# Altium PCB Pleiades_Frouf.PcbDoc (part 5 of 12) (continued)
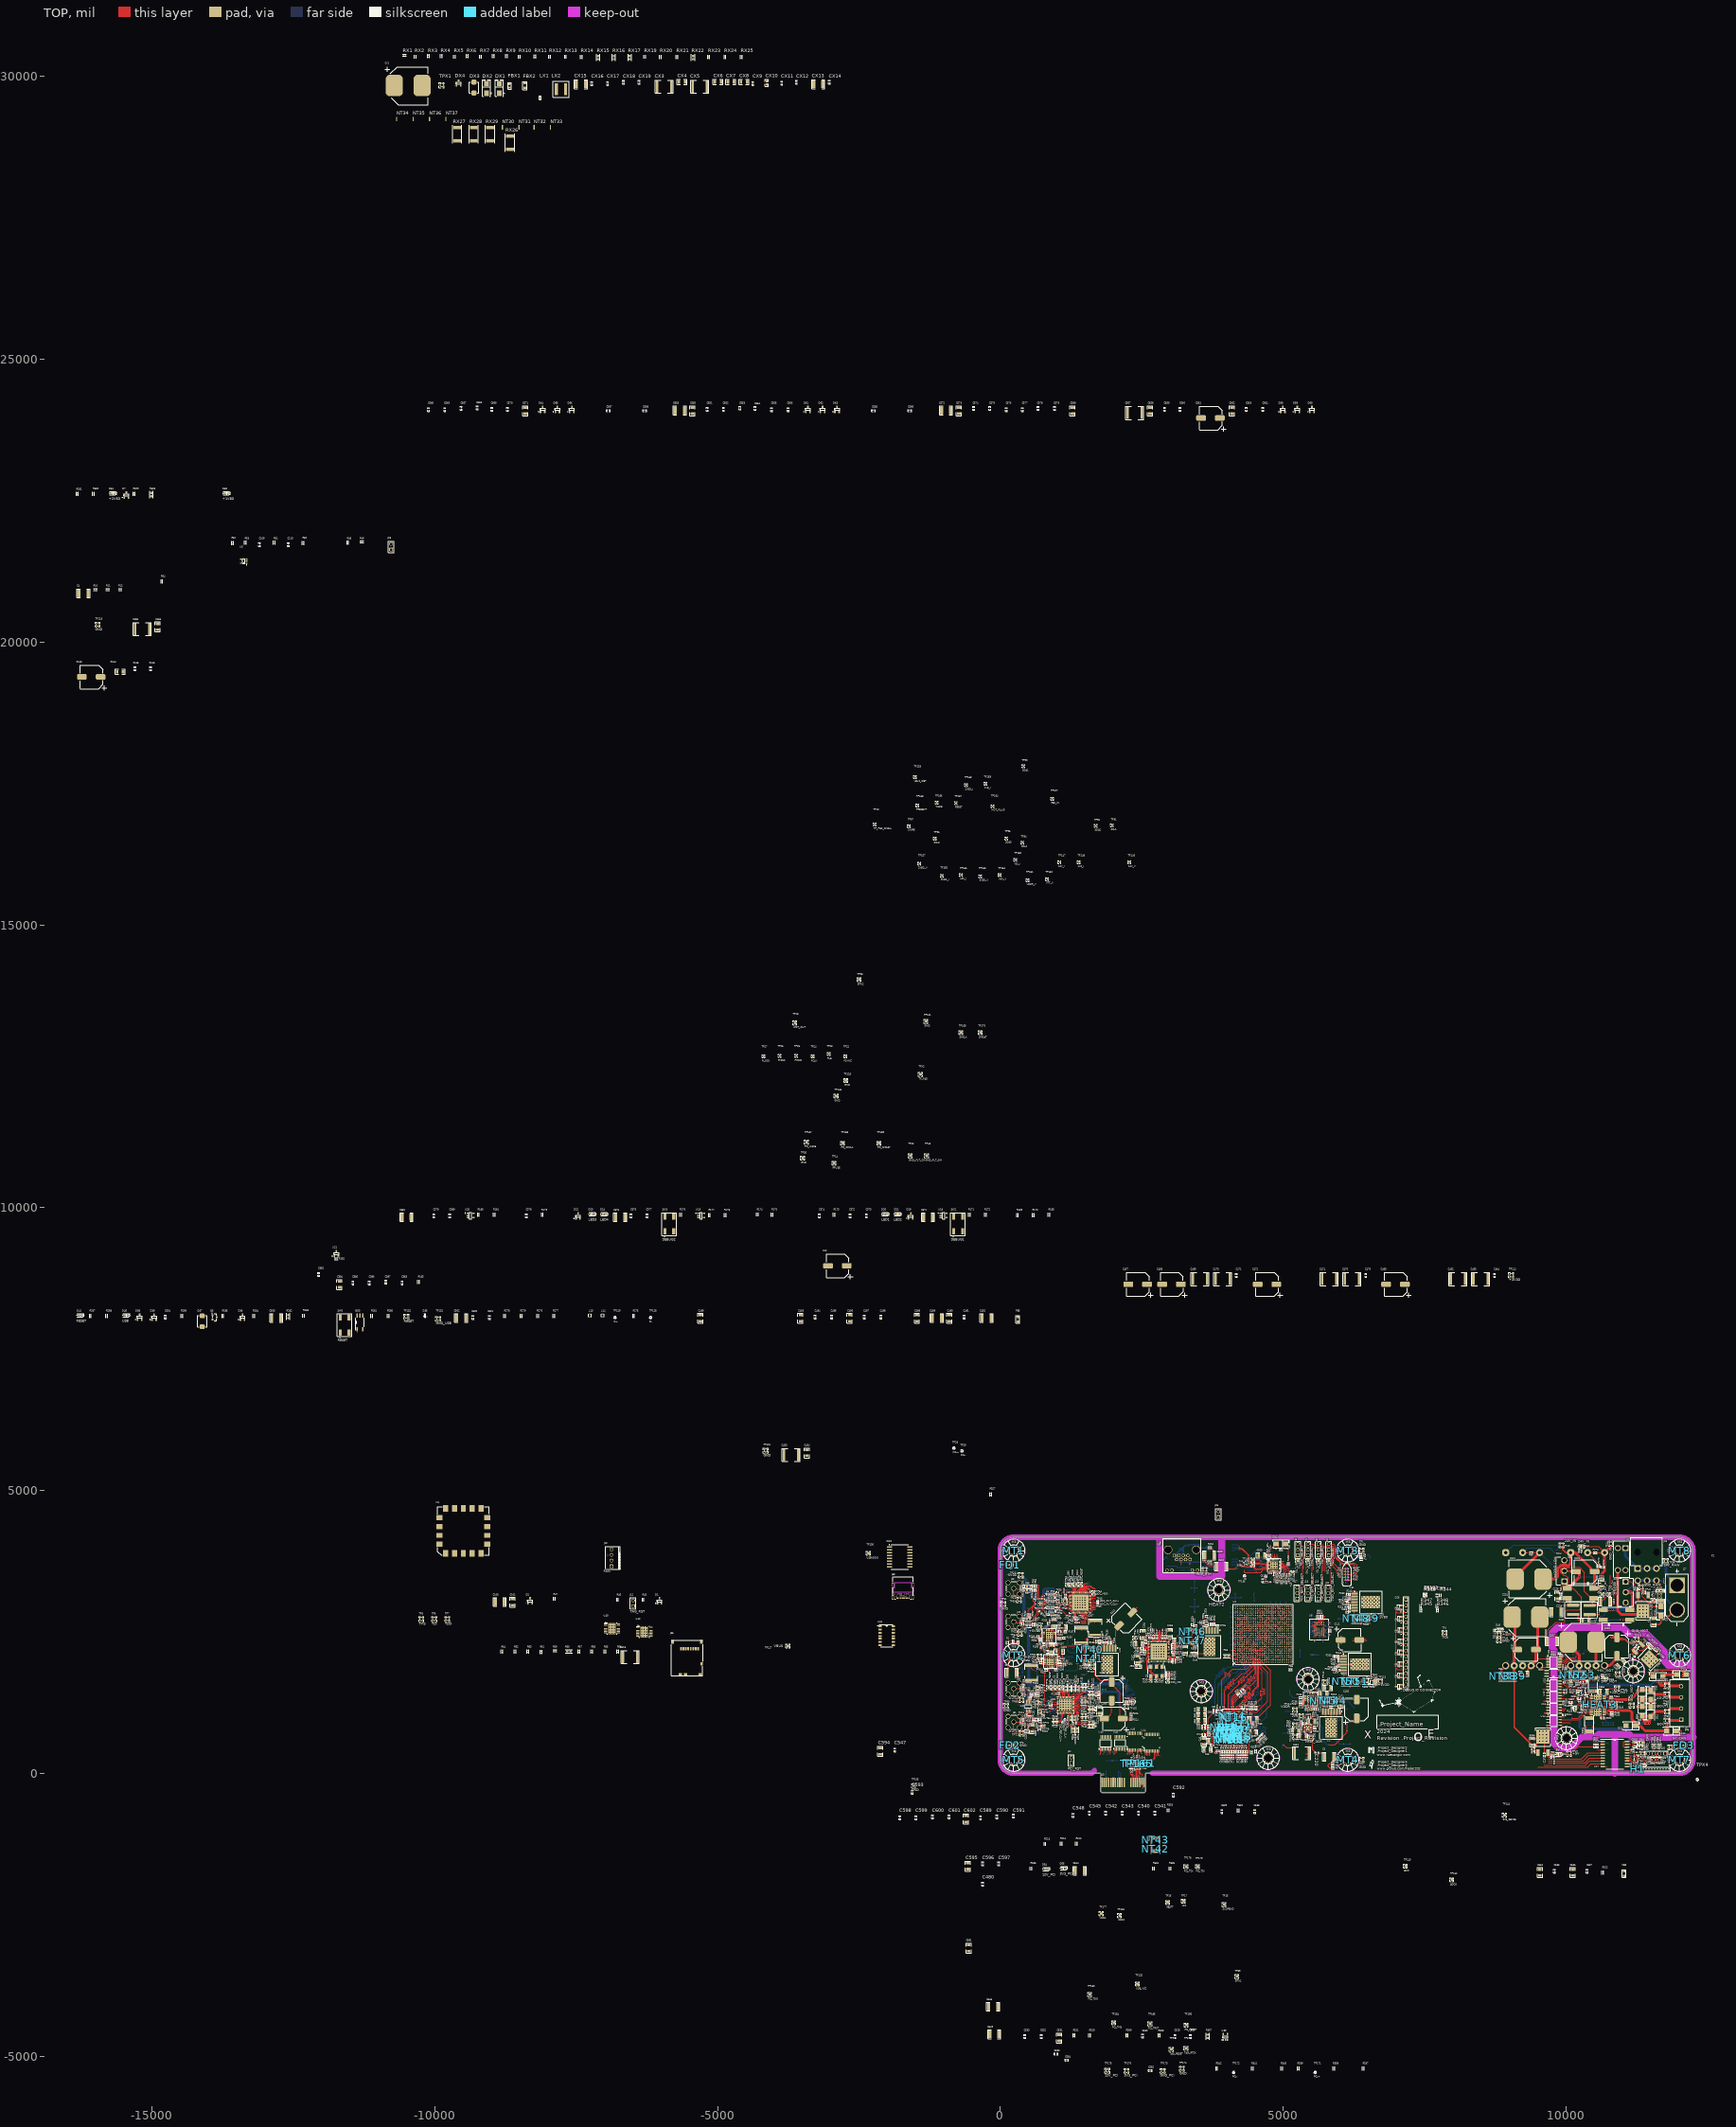
[diagram p0: TOP view]
## Nets (pads, with @x,y where several pads share a name; then routed paths per layer and width w, separated by ;. In a path a pad name is that pad's centre, name@x,y a point inside that pad or via, vN(x,y) a via of type N, cw(c..) or ccw(c..) an arc to the next point about the centre after c; other vN are vias at no path point) (continued)
  BOT w6: C310.1@570.51,1063.56 554.91,1063.56 v1(546.13,1054.78) 546.13,1073.31 564.39,1091.57 v1(564.39,1092.38) 564.39,1093.2 570.51,1099.32 C308.1@570.51,1119.58 570.51,1137.01 C309.1@544.14,1163.38 546.13,1165.37 610.01,1165.37 623.31,1178.66 621.31,1178.66 C307.1@619.11,1180.86 ; C390.1@641.73,2512 671.7,2512 679.27,2519.58 C390.1@690.57,2530.87
  BOT w20: C259.1@473.49,2783.05 473.49,2824.88 546.71,2898.1 593.44,2898.1 C244.1@595.52,2896.02 595.69,2895.85 636.85,2895.85 C262.1@637.02,2895.68 665.6,2895.68 C265.1@678.6,2908.68 696.63,2908.68 703.03,2902.28 v1(703.03,2896.19) ; C261.1@548.79,2900.18 548.79,2901.26 557.29,2909.76 C247.1@557.29,2943.68 575.79,2962.18 588.37,2962.18 C249.1@606.33,2980.13 606.33,2990.96 v1(595.52,3001.79) 606.33,3012.61 C248.1@606.33,3023.44 606.33,3023.6 564.82,3065.1 C246.1@564.82,3065.26 ; C390.1@641.73,2512 649.31,2519.58 679.27,2519.58 v1(785.45,2519.58) 785.45,2570.9 794.31,2579.76 794.31,2592.39 813.18,2611.26 C389.1@893.31,2611.26 C389.1@916.6,2611.26 ; C390.1@690.57,2530.87 TP98.1@690.57,2580.89 ; v1@704.86,2900.45 713.09,2908.68 765.44,2908.68 C263.1@770.54,2903.58 768.58,2901.61 768.58,2882.12 785.54,2865.15 808.11,2865.15 C245.1@812.24,2861.02 812.24,2825.36 823.14,2814.46 C260.1@852.5,2814.46 905.5,2761.46 905.5,2742.97 924.31,2724.17 C243.1@929,2724.17 929,2623.67 C389.1@916.6,2611.26 ; C388.1@1056.06,2284.9 1044.34,2296.63 1044.34,2396.56 1003.6,2437.29 1003.6,2504.2 976.81,2530.99 976.81,2552.03 958.36,2570.48 958.36,2598.86 945.96,2611.26 C389.1@916.6,2611.26
+5V0A_EN: R187.2 U2.AA23 | length 34
  TOP w6: U2.AA23@4944.88,2830.71 4966.22,2809.37 v1(4970,2809.37)
+5V_CAN: C361.1 C362.1 C363.1 FB3.2 J33.1 R164.1 R165.1 TP86.1 U17.16 | length 529.7
  TOP w10: U17.16@11080.92,364.52 11139,364.52 v1(11147.92,355.6) 11184,355.6 11183.59,355.18 ; R165.1@11196.24,412.76 v1(11225.39,412.76) ; v1(11220,124.62) 11220.52,124.62 11227.68,131.78 R164.1@11250.12,131.78 ; FB3.2@11346.71,469.04 FB3.2@11355.28,469.04 11399.63,469.04 v1(11411.54,457.13) ; J33.1@11754.16,347.57 11754.16,352.57 11852.72,451.12 TP86.1@11852.72,460
  BOT w3: C363.1@11069.92,351.3 C362.1@11112.92,351.31 11128.42,366.81 11136.71,366.81 v1(11147.92,355.6) 11188.46,355.6 C361.1@11183.17,350.31
+5V_MOT: C342.1 C344.1 C347.1 C349.1 C358.1 C359.1 C360.1 C478.1 C479.1 C485.1 C486.1 R149.1 R150.1 R151.1 R157.2 R158.2 R159.1 R264.1 R265.1 R273.1 TP122.1 U12.8 U13.10 U14.8 U15.8 U16.8 U33.10 U33.16 U34.6 U36.2 | length 2156
  TOP w8: U16.8@9893.31,1211.79 9891.01,1214.09 U16.8@9895.61,1214.09 9897.8,1216.29 9929.79,1216.29 v1(9937.39,1223.89) 9938.47,1223.89 9942.08,1227.5 C349.1@9966.19,1227.5 ; U33.10@9894.37,1899.64 v1(9944.79,1899.64) 9965.11,1879.32 9965.11,1837.08 9969.8,1832.4 R264.1@9996.69,1832.4 ; U33.16@9894.37,2049.64 U33.16@9895.88,2049.64 ; U12.8@9895.07,1424.41 9895.65,1424.99 9944.79,1424.99 v1(9945.37,1425.58) 9952.89,1433.1 C342.1@9980.71,1433.1 ; U15.8@9895.07,1631.99 9895.28,1632.2 9941.01,1632.2 v1(9941.22,1632.41) 9957.29,1616.34 9971.77,1616.34 C347.1@9973.55,1614.56 ; U14.8@9896.3,1000 v1(9964.03,1000) 9983.86,1019.83 9983.86,1031.22 C344.1@9987.19,1034.55 ; R265.1@9899.95,2081.59 9899.95,2053.72 U33.16@9895.88,2049.64 ; v1(9952.89,2049.64) U33.16@9895.88,2049.64 ; v1(10167.6,1443.58) 10168.36,1444.35 10175.8,1444.35 R158.2@10191.04,1459.58 ; R157.2@10190.59,1419.97 R158.2@10190.59,1459.13 ; C358.1@10279.18,1141.01 10351.84,1141.01 v1@10362.95,1152.12 ; v1(10364.03,1152.12) 10379.24,1136.91 U13.10@10456.79,1136.91 ; R159.1@10374.3,1374.11 10379.06,1378.88 10379.06,1393.99 v1(10384.08,1399) ; R151.1@10830.14,1070.87 10867.01,1070.87 v1(10877.74,1060.14) ; U36.2@11213.28,2148.67 U36.2@11217.47,2148.67
  TOP w10: v1(10111.44,1099.31) R149.1@10111.44,1134.12 ; v1(10845.92,1747.39) 10849.63,1751.1 TP122.1@10920.02,1751.1 ; v4(11177.22,2112.61) 11180.09,2109.74 11180.09,2089.62 C486.1@11209.83,2059.89 ; v1(11277.31,2175.26) 11358.27,2175.26 11428.3,2245.28 11444.73,2245.28 11509.12,2180.9 R273.1@11584.06,2180.9 11585.19,2180.9 11615.33,2150.75 C485.1@11616.46,2150.75
  TOP w25: v1(11154.51,2208.37) 11157.77,2208.37 U36.2@11217.47,2148.67 ; C479.1@11255.33,2195.99 11256.58,2195.99 v1(11277.31,2175.26) 11247.17,2145.13 11221.01,2145.13 U36.2@11217.47,2148.67 ; v1(11270.9,2093.17) 11217.47,2146.6 U36.2@11217.47,2148.67
  TOP w50: v4(11177.22,2112.61) U36.2@11213.28,2148.67
  BOT w8: U34.6@10257.95,2117.44 v1(10314.18,2117.44) 10329.25,2132.51 C478.1@10329.25,2152.86 ; v1(10364.03,1152.12) 10379.79,1167.89 10407.47,1167.89 10422.47,1152.89 10437.73,1152.89 ; C359.1@10461.78,1179.06 10456.4,1173.67 10456.4,1171.56 10437.73,1152.89 ; C360.1@10462.03,1136.91 10446.06,1152.89 10437.73,1152.89 ; R150.1@10880.92,1317.05 10880.92,1336.39 v1(10895.42,1350.89)
+5V_USB_IN: C493.1 C494.1 C495.1 C499.1 D35.1 D37.1 D38.3 D39.3 ISO2.1 J38.A4 J38.A9 J38.B4 J38.B9 R282.1 R284.1 TP127.1
+6V: C397.1 C400.1 C405.1 C406.1 C407.1 C408.1 C409.1 NT41.1 R184.1 R186.1 R322.1 R324.1 TP100.1 U23.15 U23.16 U24.15 U24.16 | length 3871.5
  TOP w12: C409.1@831.63,2125.37 835.15,2128.89 846.65,2128.89 v1(860.63,2142.87) 894.65,2142.87 C400.1@905.5,2153.72 ; C400.1@900,2163.15 927.15,2163.15 938.86,2151.44 U24.16@938.86,2073.51 961.77,2073.51 982.17,2053.11 ; U24.15@982.17,2030.2 982.17,2053.11 ; C408.1@1434.6,2312.28 1508.75,2312.28 1524.85,2328.38 1524.85,2373.56 1596.14,2444.85 C407.1@1669.65,2444.85 ; R322.1@1478.64,1996.49 1491.7,2009.56 1491.7,2011.94 ; 1511.51,1986.18 R184.1@1585,1986.18 ; 1511.51,1992.13 1491.7,2011.94 ; v1(1669.65,1986.18) R184.1@1585,1986.18 ; C407.1@1681.14,2444.85 C407.1@1669.65,2444.85 ; R186.1@1705.2,2310.41 1668.91,2310.41 ; R324.1@2320,940.65 2277.78,940.65 v1(2263.51,954.92) 2178.1,954.92 C405.1@2165.92,967.1 2161.8,967.1 2120,1008.89 2120,1426.26 1970.09,1576.16 C406.1@1970.09,1613.56 1970.09,1620.19 1949.15,1641.14 1764.07,1641.14 1676.47,1728.74 1676.47,1843.1 TP100.1@1632.55,1887.02 1585,1934.57 v1(1585,1941.03) R184.1@1585,1986.18 ; 982.17,2053.11 1044.49,2115.43 1044.49,2206.72 1086.03,2248.26 1311.68,2248.26 1491.7,2068.23 ; 1491.7,2011.94 1491.7,2068.23 ; 1491.7,2068.23 1491.7,2268.49 v1(1501.5,2278.29) 1533.62,2310.41 v1(1563.6,2310.41) 1668.91,2310.41 ; 1668.91,2310.41 1653.55,2325.77 1653.55,2428.75 C407.1@1669.65,2444.85
  TOP w18: C397.1@953,2606.85 953,2563.64 U23.16@920.02,2530.67 920.02,2527.96 923.14,2524.85 945.58,2524.85 957.51,2512.92 957.51,2490.47 960.62,2487.36 U23.15@963.33,2487.36
  other v1: 2298.89,940.65 2120,1043.66 2031.56,1514.7 1898.39,1641.14 1599.97,1919.6 971.97,2063.31 999.02,2069.96 1524.85,2350.97 1653.55,2410.59 1568.5,2417.22
+6V0_CURR_23: TP156.1 U41.16 U42.7
+6V0_VOLT_23: R324.2 R326.1 TP154.1 U41.15 | length 42.7
  TOP w6: R324.2@2320,975.65 R326.1@2320,1018.34
+6V_EN: R185.2 R195.1 U2.AC23 | length 70.6
  TOP w4.33: R195.1@1924.59,2328.28 1924.9,2328.59 1970.09,2328.59 R185.2@1970.4,2328.9
  TOP w6: U2.AC23@5023.62,2830.71 5037.91,2845 v1(5042.28,2845)
+6V_SHUNT_17_+: NT41.2 U42.5
+6V_SHUNT_17_-: NT40.2 U42.6
+12V: C101.1 C231.1 C232.1 C233.1 C234.1 C235.1 C403.1 C404.1 C412.1 C413.1 C414.1 C433.1 C434.1 C465.1 C466.1 J10.2 NT39.1 NT42.1 R85.2 R211.1 R242.1 R313.1 R314.1 R315.1 R327.1 TP45.1 U6.7 U7.1 U22.1 U27.1 U30.1 | length 4487.1
  TOP w6: C434.1@6019.27,1193.55 6019.27,1154.06 v1(6037.74,1135.59) 6002.64,1135.59 6000.46,1133.41 U27.1@6000.46,1092.08 6000.46,1087.62 6014.54,1073.54 v1(6037.74,1073.54) ; 9101.02,2455 9101.4,2454.62 ; C235.1@9440,402.5 9477,402.5 9505,374.5 U7.1@9505,364.13
  TOP w8: U30.1@3845,2524.53 3846.25,2525.78 3846.25,2613.18 R242.1@3847.5,2614.43 ; R315.1@6510.16,1559.32 R313.1@6550.16,1559.32 ; R314.1@8740,2506.22 8768.78,2506.22 TP45.1@8820,2455
  TOP w12: TP45.1@8820,2455 9101.02,2455 ; C234.1@9395,492.57 C234.1@9405,502.57
  TOP w20: U22.1@2037.83,2209.78 2037.83,2523.82 2100,2585.98 C412.1@2100,2610 ; R85.2@9087.6,1715 9087.6,1735.02 9108.58,1756 9128.6,1756 9137.6,1765 C233.1@9207,1765 ; C234.1@9395,502.57 C234.1@9405,502.57
  TOP w25: C231.1@9048.74,2760 C231.1@9101.4,2707.34 ; C232.1@9085.87,2179.21 C232.1@9115.85,2209.2 ; R85.2@9087.6,1715 9087.6,809.98 C234.1@9395,502.57 ; C232.1@9101.4,2223.65 C232.1@9115.85,2209.2 ; C232.1@9139.29,2187.86 9137.19,2187.86 C232.1@9115.85,2209.2 ; C232.1@9139.29,2215 9121.66,2215 C232.1@9115.85,2209.2 ; C234.1@9395,492.57 9395,376.44 9407.31,364.13 U7.1@9505,364.13
  TOP w50: R85.2@9085.87,1716.73 U6.7@9085.87,1901.1 C232.1@9085.87,2179.21 ; C232.1@9101.4,2223.65 9101.4,2454.62 C231.1@9101.4,2707.34
  BOT w6: v1(6037.74,1073.54) 6037.74,1027.46 6056.62,1008.59 C433.1@6093.46,1008.59 6093.46,1079.87 v1(6037.74,1135.59) 6143.4,1135.59 C414.1@6153.16,1145.35
+12V_CURR_23: TP147.1 U41.28 U42.1
+12V_PCI: C557.1 C558.1 C559.1 C560.1 D53.1 J40.A2 J40.A3 J40.B1 J40.B2 J40.B3 R334.1 TP175.1 | length 492.7
  TOP w6: J40.B1@1797.24,-161.42 1797.24,-72.7 v7(1797.24,-67.74) ; J40.B2@1836.61,-161.42 1836.61,-72.7 v7(1836.61,-67.74) ; J40.B3@1875.98,-161.42 1875.98,-72.7 v7(1875.98,-67.74)
  BOT w6: D53.1@1875.31,50 1875.31,-91.85 1875.98,-92.52 J40.A3@1875.98,-161.42
+12V_SHUNT_17_+: NT39.2 U42.3 | length 109.2
  TOP w6: 8973,1765 8973,1735 8988,1720 NT39.2@9046,1720
+12V_SHUNT_17_-: NT38.2 U42.2 | length 106.2
  TOP w6: NT38.2@8894,1720 8949,1720 8964,1735 8964,1738.73 8964,1765
+12V_VOLT_23: R315.2 R316.1 TP146.1 U41.27 | length 44.5
  TOP w6: R316.1@6433.8,1566.82 6449.8,1566.82 6457.3,1559.32 R315.2@6475.16,1559.32
+24V_FILTER_CM: C225.1 L1.1 L3.1 TP38.1 | length 948.6
  TOP w12: TP38.1@10640.38,3160.98 v1(10695.4,3160.98)
  TOP w25: C225.1@10398.25,2695.09 10398.25,2793 10413.25,2808 10562.2,2808 v1(10592.54,2777.66) 10592.54,2738.29 10619.41,2711.42 L3.1@10658.78,2711.42
  BOT w12: v1(10592.54,2777.66) 10660.74,2777.66 10695.4,2812.33 v1(10695.4,3160.98)
+24V_FILTER_DM: C219.1 C226.1 L1.2 L2.2 R80.1 TP39.1 | length 2431.4
  TOP w10: C219.1@10615.4,3040.04 10595.4,3040.04 10595.4,3040.8 C219.1@10615.4,3065.08 ; C219.1@10617.69,3068.49 C219.1@10632.61,3058.49
  TOP w12: C226.1@9850,3198 9866.42,3181.58 9945.45,3181.58 9952.48,3188.61 9952.48,3208.27 9934.13,3226.62 9934.13,3312.82 9944.96,3323.65 10026.56,3323.65 10037.39,3334.48 10037.39,3452.85 9988.05,3502.18 9955.48,3502.18 9906.14,3551.52 9906.14,3605.89 9944.58,3644.33 9998.95,3644.33 10005.33,3637.95 10238.31,3637.95 10329.94,3546.32 10329.94,3217.55 10454.94,3092.55 L2.2@10494.31,3092.55 ; C219.1@10615.4,3040.04 10630.08,3054.72 10653.88,3054.72 TP39.1@10761.14,3161.98
  TOP w25: L1.2@10419.45,2968.85 L1.2@10433.14,2982.54 ; L2.2@10495.09,3091.77 10480.93,3077.61 10480.93,3030.33 10469.8,3019.21 10469.8,2983.85 10468.49,2982.54 L1.2@10433.14,2982.54 ; C219.1@10600.4,3066.55 10615.4,3051.55 C219.1@10615.4,3040.04 10615.4,2997.54 10600.4,2982.54 L1.2@10433.14,2982.54
+24V_FUSE: C227.1 D3.1 F1.3 F1.4 Q1.3 TP37.1 | length 1854.7
  TOP w25: v5(11424.3,2949.54) 11678.15,2949.54 D3.1@11681.15,2952.54 11675,2958.69 C227.1@11675,3059 11668.75,3065.25 11584.75,3065.25 11555,3095
  TOP w50: F1.3@10919.6,3591.32 10919.6,2868.1 10982.7,2805 11304.75,2805 Q1.3@11364.3,2864.54
  BOT w25: F1.3@10919.6,3591.32 F1.4@11053.6,3591.32
  other v5: 11304.3,2769.54 11364.3,2769.54 11424.3,2769.54 11304.3,2829.54 11364.3,2829.54 11424.3,2829.54 11304.3,2889.54 11364.3,2889.54 11424.3,2889.54 11304.3,2949.54 11364.3,2949.54
+24V_IN: C221.1 C222.1 C223.1 C224.1 L2.1 R86.1 R89.1 R270.1 TP40.1 U6.1 U37.1 | length 3735.6
  TOP w12: 10164.58,3901.1 10175.98,3912.5 R89.1@10250,3912.5 ; C222.1@10508.13,3564.7 10533.54,3564.7 10575.34,3606.5 10575.34,3631.92 10584.6,3641.17 10584.6,3643.5 R270.1@10588.6,3647.5 C224.1@10632.88,3647.5
  TOP w25: TP40.1@9927.5,4034.13 9937.07,4024.56 9937.07,3961.03 9996.99,3901.1 U37.1@10084.08,3901.1
  TOP w50: C221.1@9595,3295 C221.1@9595,3407.66 ; C221.1@9595,3433.8 9812.21,3433.8 9850,3471.58 9850,3616.57 9905.37,3671.95 9924.12,3671.95 9930.5,3678.33 10013.03,3678.33 10019.41,3671.95 10050.36,3671.95 10084.08,3705.67 U37.1@10084.08,3901.1 10164.58,3901.1 10439,3626.68 10439,3606.5 10480.8,3564.7 C222.1@10508.13,3564.7 10508.13,3283.53 L2.1@10494.31,3269.72 10591.05,3269.72 10604.08,3282.75 10604.08,3287.33 10620.08,3303.33 C223.1@10630.08,3303.33
  BOT w12: U6.1@8935.87,3901.1 9068.89,4034.13 TP40.1@9927.5,4034.13 9831.98,3938.6 9826.52,3938.6 R86.1@9822.52,3934.6
+24V_MOT: C345.2 C353.1 C354.1 C355.1 C356.1 C357.1 C477.1 C481.1 C482.1 C483.1 C484.1 NT53.1 R266.1 R269.1 R272.1 TP121.1 U13.15 U13.28 U35.3 U36.1 U37.7 | length 2878.6
  TOP w8: v1(10600.81,1731.66) R272.1@10633.92,1731.66 ; U13.15@10677.26,1034.55 10670.18,1034.55 10668.42,1032.79 v1(10668.42,1011.78) C356.1@10668.42,977.55 10702.45,977.55 v1(10712.64,967.36) ; U13.28@10677.26,1367.22 v1(10730.14,1367.22) ; C483.1@11006.95,1981.42 11013.45,1981.42 v1(11049.48,2017.44) ; C484.1@11281.56,2240.89 11309.69,2240.89 U36.1@11344.75,2275.95
  TOP w10: v1(10253.84,1552.25) 10253.84,1552.79 10266.87,1565.82 C477.1@10266.87,1607.92 10303.48,1571.31 10351.66,1571.31 10370.16,1589.8 10370.16,1606.62 R266.1@10370.6,1607.06
  TOP w20: C355.1@10716.92,1445.97 10716.92,1455.97 10761.33,1500.38 TP121.1@10908.18,1500.38
  TOP w25: v4(11001.11,2369.66) 11044.13,2369.66 11111.55,2302.25 v1(11272.81,2302.25) 11278.6,2296.46 11324.24,2296.46 U36.1@11344.75,2275.95
  TOP w50: C481.1@10041.96,2320 10041.96,2284.57 10234.08,2092.44 U37.7@10234.08,1901.1 10236.4,1898.78 10236.4,1808.97 10265.69,1779.68 10315.68,1779.68 10315.68,1742.68 R269.1@10318.68,1739.68 R269.1@10321.68,1736.68 ; v4(10804.23,2405.09) C482.1@10904.08,2405.09 10904.08,2393.87 10928.29,2369.66 v4(11001.11,2369.66)
  BOT w8: v1(10651.42,853.03) 10833.97,853.03 10838.92,857.98 v1(10840,857.98) ; v1(10651.42,895) C353.1@10730,895 ; C354.1@10706.2,1445.97 10706.2,1435.97 10668.42,1398.2 C357.1@10668.42,1376.09 10720.18,1376.09 10729.06,1367.22 v1(10730.14,1367.22) ; v1(10712.64,967.36) 10712.64,912.36 C353.1@10730,895 ; C353.1@10745.71,875 10750,875 C353.1@10730,895 ; C345.2@10825,1215 10918.7,1215 10920.02,1213.68 v1(10921.1,1213.68) ; v1(10840,895) C353.1@10730,895
  BOT w10: v1(10253.84,1552.25) 10253.84,1567.54 10268.62,1582.33 U35.3@10284.37,1582.33
+24V_MOT_SHUNT_22_+: NT53.2 U35.5 | length 264.4
  TOP w6: v1(10217.5,1736.68) NT53.2@10278.29,1736.68
  BOT w6: U35.5@10208.78,1607.92 10175.26,1607.92 10170.95,1603.61 10165.98,1603.61 10160.41,1609.18 10160.41,1671.98 10206.49,1718.06 10206.49,1725.66 v1(10217.5,1736.68)
+24V_MOT_SHUNT_22_-: NT52.2 U35.4 | length 279.5
  TOP w6: NT52.2@10131.03,1736.68 v1(10194.5,1736.68)
  BOT w6: v1(10194.5,1736.68) 10194.5,1718.8 10151.41,1675.71 10151.41,1605.45 10164.74,1592.12 10168.47,1592.12 10176.28,1584.31 10206.8,1584.31 U35.4@10208.78,1582.33
+24V_PROT_18: L3.2 Q2.3 | length 1282.1
  TOP w25: L3.2@10658.78,2888.58 v4(10761.14,2888.58) v4(10790,2888.58) 10819.38,2888.58 v4(10819.81,2889.02) 10854.57,2889.02 v4(10855,2888.58)
  BOT w50: v4(10761.14,2888.58) v4(10790,2888.58) 10819.81,2888.58 v4(10855,2888.58) 11123.92,2888.58 11193.63,2958.29 11193.63,3132.07 11251.55,3190 11560,3190 Q2.3@11620,3190
  other v5: 11560,3105 11620,3105 11680,3105 11560,3165 11620,3165 11680,3165 11560,3225 11620,3225 11680,3225 11560,3285 11620,3285 11680,3285
+24V_RAW: F1.1 F1.2 J26.1 J26.2 J26.3 J27.1 TP36.1 | length 1645.7
  BOT w50: F1.2@10919.6,3981.32 F1.1@11053.6,3981.32 11053.6,3837.94 J26.1@11270,3621.54 ; J26.1@11270,3623.5 11435.35,3623.5 11590.55,3623.5 J26.3@11596.89,3623.5 ; J26.3@11600.71,3621.54 11613.74,3634.57 11651.21,3634.57 TP36.1@11768.87,3752.23 11768.87,3520.54 J27.1@11967.87,3321.54
+DDR_VREF: U1.H1 U1.M8 | length 632.9
  TOP w6: v1(3958.38,873.77) 3958.5,873.89 3984.13,873.89 U1.H1@3984.25,874.02 ; v1(4191.7,758.45) 4193,758.45 4203.42,748.03 U1.M8@4204.72,748.03
  BOT w6: v1(3958.38,873.77) 4047.35,873.77 4073.94,847.18 4073.94,834.61 4085.53,823.02 4121.79,823.02 4127.79,817.02 4127.79,778.37 4136.83,769.34 4180.81,769.34 v1(4191.7,758.45) 4199.35,766.1 4235.65,766.1 4243.3,758.45 4268.81,758.45 4289.75,779.38 4455.23,779.38
+VCC_OSC: C155.1 C156.1 C157.1 C158.1 FB1.2 R68.1 TP21.1 Y1.6 | length 523.4
  TOP w6: Y1.6@2862,1715 2879.33,1697.68 v1(2912.41,1697.68) C158.1@2945.49,1697.68 C156.1@2945.49,1780
  BOT w6: FB1.2@2767.55,1740 2813,1740 C155.1@2859,1786 ; R68.1@2859,1862.88 C155.1@2859,1796 C155.1@2859,1786 ; 2965,1697.68 v1(2912.41,1697.68) 2912.41,1732.6 C155.1@2859,1786
+VCC_PLL: C183.1 C184.1 C185.1 C186.1 C187.1 C188.1 C189.1 C190.1 C191.1 C192.1 C193.1 C194.1 C195.1 C196.1 C197.1 C198.1 C199.1 C200.1 FB2.2 R67.1 R70.1 R73.1 TP34.1 U4.1 U4.5 U4.15 U4.34 U4.35 U4.39 U4.42 U4.44 U4.47 | length 1582.1
  TOP w6: TP34.1@2375.8,2388.54 2387.71,2388.54 2404.21,2405.04 C184.1@2520.44,2405.04 2533.94,2418.54 2562.89,2418.54 2581.14,2436.78 R70.1@2628.03,2436.78 ; C189.1@2523.64,2209.17 2566.12,2209.17 v1(2590.55,2184.73) 2594.03,2181.26 U4.39@2625,2181.26 ; C187.1@2576,2312.67 2590.55,2298.11 v1(2590.55,2279.69) U4.34@2625,2279.69 ; v1(2590.33,2127.21) 2572.07,2108.95 2572.07,2079.65 2575.58,2076.13 2590.25,2076.13 v1(2590.43,2076.31) ; v1@2590.43,2076.13 2592.05,2076.13 2598.75,2082.83 U4.44@2625,2082.83 ; v1@2590.55,2126.98 2592.18,2126.98 2596.95,2122.2 U4.42@2625,2122.2 ; v1(2590.55,2260) U4.35@2625,2260 ; U4.1@2977.36,2004.09 v1(3017.72,2004.09) 3019.34,2004.09 3022.42,2007.18 C190.1@3056.1,2007.18 3055.9,2006.98 3055.9,1968.57 C186.1@3055.7,1968.37 ; U4.5@2977.36,2082.83 3003.4,2082.83 3011.2,2090.63 v1(3012.82,2090.63) 3024.71,2102.52 R73.1@3047.5,2102.52 ; U4.15@2977.36,2279.69 v1(3012.7,2279.69) C191.1@3047.5,2279.69 ; C192.1@3047.5,2240.97 C191.1@3047.5,2279.69 ; C183.1@3087,2347.67 3087,2338.18 3047.5,2298.69 C191.1@3047.5,2279.69
  BOT w6: C188.1@2557.7,2157.2 2584.08,2183.58 2589.41,2183.58 v1(2590.55,2184.73) 2592.18,2184.73 2594.78,2182.13 C196.1@2623.53,2182.13 ; v1(2590.33,2127.21) 2591.95,2127.21 2596.95,2122.2 C197.1@2618.54,2122.2 ; v1(2590.43,2076.31) 2590.77,2075.97 2617.7,2075.97 C193.1@2618.04,2075.63 ; v1(2590.55,2279.69) v1(2590.55,2260) ; v1(2596.52,2023.78) 2597.64,2024.9 2617.42,2024.9 C198.1@2618.54,2026.02 ; C195.1@2618.54,2220.63 2603.04,2220.63 2590.55,2233.12 v1(2590.55,2260) ; C194.1@2625,2260 v1(2590.55,2260) ; C199.1@2974.8,2010 3010.19,2010 3016.09,2004.09 v1(3017.72,2004.09) ; C185.1@2990.67,2320.04 2990.67,2290.2 2989.58,2289.11 2989.58,2285.45 C200.1@2983.82,2279.69 v1(3012.7,2279.69) 3012.7,2262.22 3022.42,2252.5 R67.1@3150,2252.5
+VCC_USB: C490.1 C491.1 C492.1 C496.1 C497.1 C498.1 C501.1 C503.1 D36.3 FB5.2 ISO2.14 ISO2.16 ISO3.5 M1.2 M1.8 M1.15 R277.2 R279.2 R280.1 R281.1 TP125.1
+VDDR: C5.1 C6.1 C7.1 C8.1 C9.1 C10.1 C11.1 C12.1 C13.1 C14.1 C15.1 C16.1 C17.1 C18.1 C19.1 C20.1 C21.1 C22.1 C23.1 C24.1 C25.1 C26.1 C27.1 C28.1 C29.1 C30.1 C31.1 C32.1 C33.1 C34.1 C35.1 C36.1 C37.1 C38.1 C39.1 C40.1 C41.1 C42.1 C43.1 C44.1 C45.1 C46.1 C47.1 C48.1 C49.1 C50.1 C51.1 C52.1 C53.1 C54.1 C55.1 C56.1 C57.1 C58.1 C59.1 C60.1 C61.1 C62.1 C63.1 C64.1 C65.1 C66.1 C87.2 C89.2 C90.2 C143.1 C144.1 C145.1 C146.1 C440.1 C441.1 C450.1 C451.1 C452.1 C453.1 R227.1 R318.1 TP111.1 U1.A1 U1.A8 U1.B2 U1.C1 U1.C9 U1.D2 U1.D9 U1.E9 U1.F1 U1.G7 U1.H2 U1.H9 U1.K2 U1.K8 U1.N1 U1.N9 U1.R1 U1.R9 U2.D2 U2.F4 U2.H2 U2.J6 U2.K4 U2.M2 U28.2 U29.1 U29.3 U29.20 | length 5683.8
  TOP w6: v1(3577.5,918.16) 3613.71,918.16 3614.68,919.13 3614.68,1119.14 C25.1@3614.55,1119.27 3614.42,1119.13 v1(3577.5,1119.13) ; v1(3577.5,1019.52) 3613.51,1019.52 C32.1@3614.55,1020.56 ; v1(3579.3,581.55) 3579.3,597.46 3598.11,616.27 C46.1@3601.93,616.27 3610.57,616.27 3635.8,591.04 3635.8,584.96 v1(3636.95,583.81) ; C52.1@3769.08,505 v1(3769.08,535.87) 3796.47,563.27 C11.1@3796.47,573.27 3796.47,632.23 3807.51,643.27 C87.2@3807.51,644.35 v1(3825.01,661.85) C41.1@3855.24,661.85 C29.1@3899.6,661.85 3942.77,661.85 3951.5,653.12 v1(3953.12,653.12) 3953.33,653.33 3984.04,653.33 U1.R1@3984.25,653.54 ; C31.1@3813.97,1119.27 3816.96,1116.28 3849.61,1116.28 C40.1@3852.6,1113.29 3852.87,1113.03 3902.36,1113.03 C8.1@3902.62,1112.76 3919.37,1096.01 v1(3950.24,1096.01) 3951,1095.25 3983.49,1095.25 U1.A1@3984.25,1094.49 ; C55.1@3857.31,718.8 C54.1@3902.42,718.8 3902.78,719.16 3946.15,719.16 3948.92,716.39 v1(3964.15,716.39) 3964.22,716.46 3984.18,716.46 U1.N1@3984.25,716.54 ; C27.1@3871.24,884.99 3873.69,887.45 3873.69,900.34 C9.1@3898.8,925.46 3893.04,931.22 3884.26,931.22 v1(3873.46,942.03) ; C14.1@3898.8,1037.38 3952.49,1037.38 3958.38,1031.5 v1(3960,1031.5) U1.C1@3984.25,1031.5 ; C9.1@3904.72,925.52 3911.76,925.52 ; C9.1@3905.25,919.01 3911.76,925.52 ; U1.F1@3984.25,937.01 3962.35,937.01 v1(3961.75,937.61) 3949.66,925.52 3911.76,925.52 ; v1(4000.12,1015.32) 4000.27,1015.32 4015.59,1000 U1.D2@4015.75,1000 ; v1(4000.22,824.52) 4001.24,824.52 4014.73,811.02 U1.K2@4015.75,811.02 ; v1(4001.02,1049.12) 4001.45,1049.12 4015.32,1062.99 U1.B2@4015.75,1062.99 ; U1.H2@4015.75,874.02 4031.73,890 v1(4032.7,890) ; v1(4157.19,920.37) 4157.78,920.37 4172.64,905.51 U1.G7@4173.23,905.51 ; U1.K8@4204.72,811.02 4206.55,811.02 4221.22,825.69 v1(4222.84,825.69) ; U1.A8@4204.72,1094.49 v1@4217.07,1106.84 ; v1(4218.22,1113.07) 4218.22,1113.86 C42.1@4276.83,1172.47 ; v1(4220.01,985) 4220.01,984.86 4236.22,968.65 U1.E9@4236.22,968.5 ; v1(4220.9,1015.32) U1.D9@4236.22,1000 ; U1.R9@4236.22,653.54 4236.73,653.03 4261.46,653.03 v1(4261.97,652.52) 4271.3,661.85 C64.1@4315.35,661.85 C21.1@4356.03,661.85 4359.18,658.7 4370.68,658.7 4375.33,654.05 C90.2@4398.35,654.05 4414.32,670.01 C18.1@4414.32,723.68 ; U1.N9@4236.22,716.54 4238.13,716.54 4244.61,723.01 4272.6,723.01 4280.6,731.02 4280.6,735.76 4290.24,745.39 v1(4290.24,747.02) 4290.36,746.89 4305.04,746.89 C36.1@4319.93,731.99 ; U1.H9@4236.22,874.02 4236.49,874.29 4254.97,874.29 v1(4255.24,874.55) 4286.6,843.19 C7.1@4319.89,843.19 ; U1.C9@4236.22,1031.5 4237.64,1031.5 4253.82,1015.32 v1(4255.24,1015.32) 4281.92,988.64 C16.1@4316.29,988.64 C15.1@4360.3,988.64 4401.59,988.64 4422.08,968.16 C59.1@4422.08,959.51 ; v1(4265.33,2014.69) 4265.33,2014.44 4275.59,2004.18 U2.D2@4275.59,2003.94 ; C56.1@4317.12,1130.47 4288.12,1130.47 4276.83,1141.77 C42.1@4276.83,1172.47 ; v1(4336.13,2072.22) 4337.28,2073.37 4341.85,2073.37 4351.16,2082.68 U2.F4@4354.33,2082.68 ; U2.H2@4433.07,2003.94 4433.07,2003.41 4447.72,1988.76 v1(4447.72,1988.23) ; v1(4453.89,2183.82) 4455.04,2182.67 4455.04,2178.82 U2.J6@4472.44,2161.42 ; U2.K4@4511.81,2082.68 4514.05,2084.92 4528.05,2084.92 4530.19,2087.06 v1(4531.81,2087.06) ; v1(4517.02,569.18) 4517.74,569.18 C44.1@4542.49,593.93 4542.49,594.73 4632.84,685.08 C33.1@4632.84,685.88 4649.82,702.86 v1(4662.34,702.86) ; C19.1@4528.08,1174.55 4526.54,1176.08 4407.98,1176.08 C58.1@4406.44,1177.62 4402.93,1181.13 4402.93,1193.12 4296.69,1193.12 C42.1@4276.83,1173.25 C42.1@4276.83,1172.47 ; U2.M2@4590.55,2003.94 U2.M2@4590.55,2003.94 4607.33,2020.62 4612.47,2020.62 v1(4613.62,2021.77) ; v1(5291.39,1305.58) 5291.71,1305.26 5320.31,1305.26 v1(5320.63,1304.94) 5320.95,1305.26 5349.93,1305.26 5360.76,1316.09 U29.3@5395.15,1316.09 ; v1(5303.46,1385.83) v1(5326.39,1385.83) v1(5349.05,1385.83) 5367.61,1367.27 U29.1@5395.15,1367.27 ; R227.1@5315.04,817.34 v1(5352.38,817.34) 5379.77,817.34 U28.2@5379.88,817.23 ; v1(5398.36,436.22) 5440.38,436.22 5459.25,417.35 C451.1@5459.25,355.5 ; v1(5406.27,347.57) 5451.33,347.57 C451.1@5459.25,355.5 ; v1(5412.36,282.01) 5440.38,282.01 5459.25,300.88 C451.1@5459.25,355.5
  BOT w6: C12.1@3652.45,623.62 3652.45,599.31 v1(3636.95,583.81) 3659.25,561.5 C5.1@3659.25,510.94 ; C89.2@3739.15,732.15 3805.21,732.15 3828.11,709.24 3910.32,709.24 C57.1@3924.53,723.45 3927.62,720.35 3946.15,720.35 3949.15,717.35 3963.18,717.35 v1(3964.15,716.39) ; C66.1@3855.24,661.85 3855.36,661.73 3898.84,661.73 C65.1@3898.96,661.61 3943.01,661.61 3951.5,653.12 v1(3953.12,653.12) 3954.75,653.12 3957.33,650.54 C50.1@3983.33,650.54 ; C47.1@3857.96,957.53 v1(3873.46,942.03) ; C6.1@3879.19,1097.99 C13.1@3920.04,1097.99 3921.04,1097 3949.24,1097 v1(3950.24,1096.01) ; v1(3961.75,937.61) 3973.13,926.23 3976.85,926.23 C30.1@3982.62,920.46 3982.62,918.16 3997.01,903.77 4018.93,903.77 v1(4032.7,890) ; C23.1@3965.24,840.4 3984.34,840.4 v1(4000.22,824.52) 4001.13,823.6 4001.13,796.71 C34.1@4002.05,795.8 4018.07,779.77 4066.05,779.77 4071.68,774.15 4101.48,774.15 4105,777.66 C43.1@4105,807.02 ; C35.1@4090,919.84 4090.16,919.99 4129.76,919.99 4130.03,920.26 4157.08,920.26 v1(4157.19,920.37) ; C22.1@4202.51,1047.67 4219.86,1030.32 4219.86,1016.36 v1(4220.9,1015.32) ; C51.1@4202.51,1090.45 4207.85,1095.79 4207.85,1102.7 v1(4218.22,1113.07) 4229.06,1123.91 C63.1@4229.06,1162.31 C20.1@4229.06,1208.42 ; C37.1@4241.4,634.51 4242.48,634.51 4260.5,652.52 v1(4261.97,652.52) 4262.23,652.26 4301.36,652.26 C49.1@4301.62,652.01 ; v1(4255.24,874.55) 4256.86,874.55 4258.92,872.5 C28.1@4316.11,872.5 C48.1@4360.98,872.5 ; v1(4255.24,1015.32) 4256.86,1015.32 4273.04,1031.5 C10.1@4278.15,1031.5 ; C17.1@4557.23,768.57 4557.23,741.09 4561.4,736.92 4561.4,696 4567.23,690.16 v1(4567.23,689.49) ; C450.1@4988.46,707.92 5073.46,707.92 5160.66,795.12 5247.01,795.12 5280.07,828.18 C440.1@5290.07,828.18 5295.96,822.3 v1@5358.66,822.3 ; C452.1@5120,1228.56 5205,1228.56 5280.87,1304.43 5290.25,1304.43 v1(5291.39,1305.58) ; v1(5349.05,1385.83) 5365.96,1402.73 C453.1@5406.26,1402.73 ; v1(5352.38,817.34) 5353.7,817.34 v1@5358.66,822.3 ; C441.1@5375.57,822.3 v1@5358.66,822.3
  other v1: 5350.06,1305.58
+VDDR_VOLT_23: R318.2 TP151.1 U41.14
+VREF_DDR: C220.1 C429.1 C430.1 TP106.1 U2.C3 U2.L8 U28.6 | length 546.3
  TOP w6: v1(4214.69,2025.01) 4215.84,2026.16 4218.73,2026.16 4235.88,2043.31 U2.C3@4236.22,2043.31 ; v1@4533.23,2218.78 4533.23,2222.2 U2.L8@4551.18,2240.16 ; U28.6@5490.11,758.18 5507.69,758.18 v1(5523.71,742.15) ; TP106.1@5492.88,632.55 5524.92,600.5 5524.92,415.75 C220.1@5580.64,360.04
  BOT w6: TP106.1@5492.88,632.55 5495.13,634.8 5495.13,700.05 C429.1@5497.38,702.3 C430.1@5497.38,743.18 5497.89,742.67 5523.2,742.67 v1(5523.71,742.15)
  other v1: 4533.23,2220.49